# Altium PCB NG2093.PcbDoc (part 7 of 8)
Units mm, origin at the board's own origin, x right, y up, seen from the top; angles counter-clockwise.
Board outline 125 x 63 mm, 6 copper layers (Top Copper, Signal Layer 1, Signal Layer 2, Signal Layer 3, Signal Layer 4, Bottom Copper), stack 1.579 mm thick; 379 components, 295 nets, 1557 pads, 1142 vias.
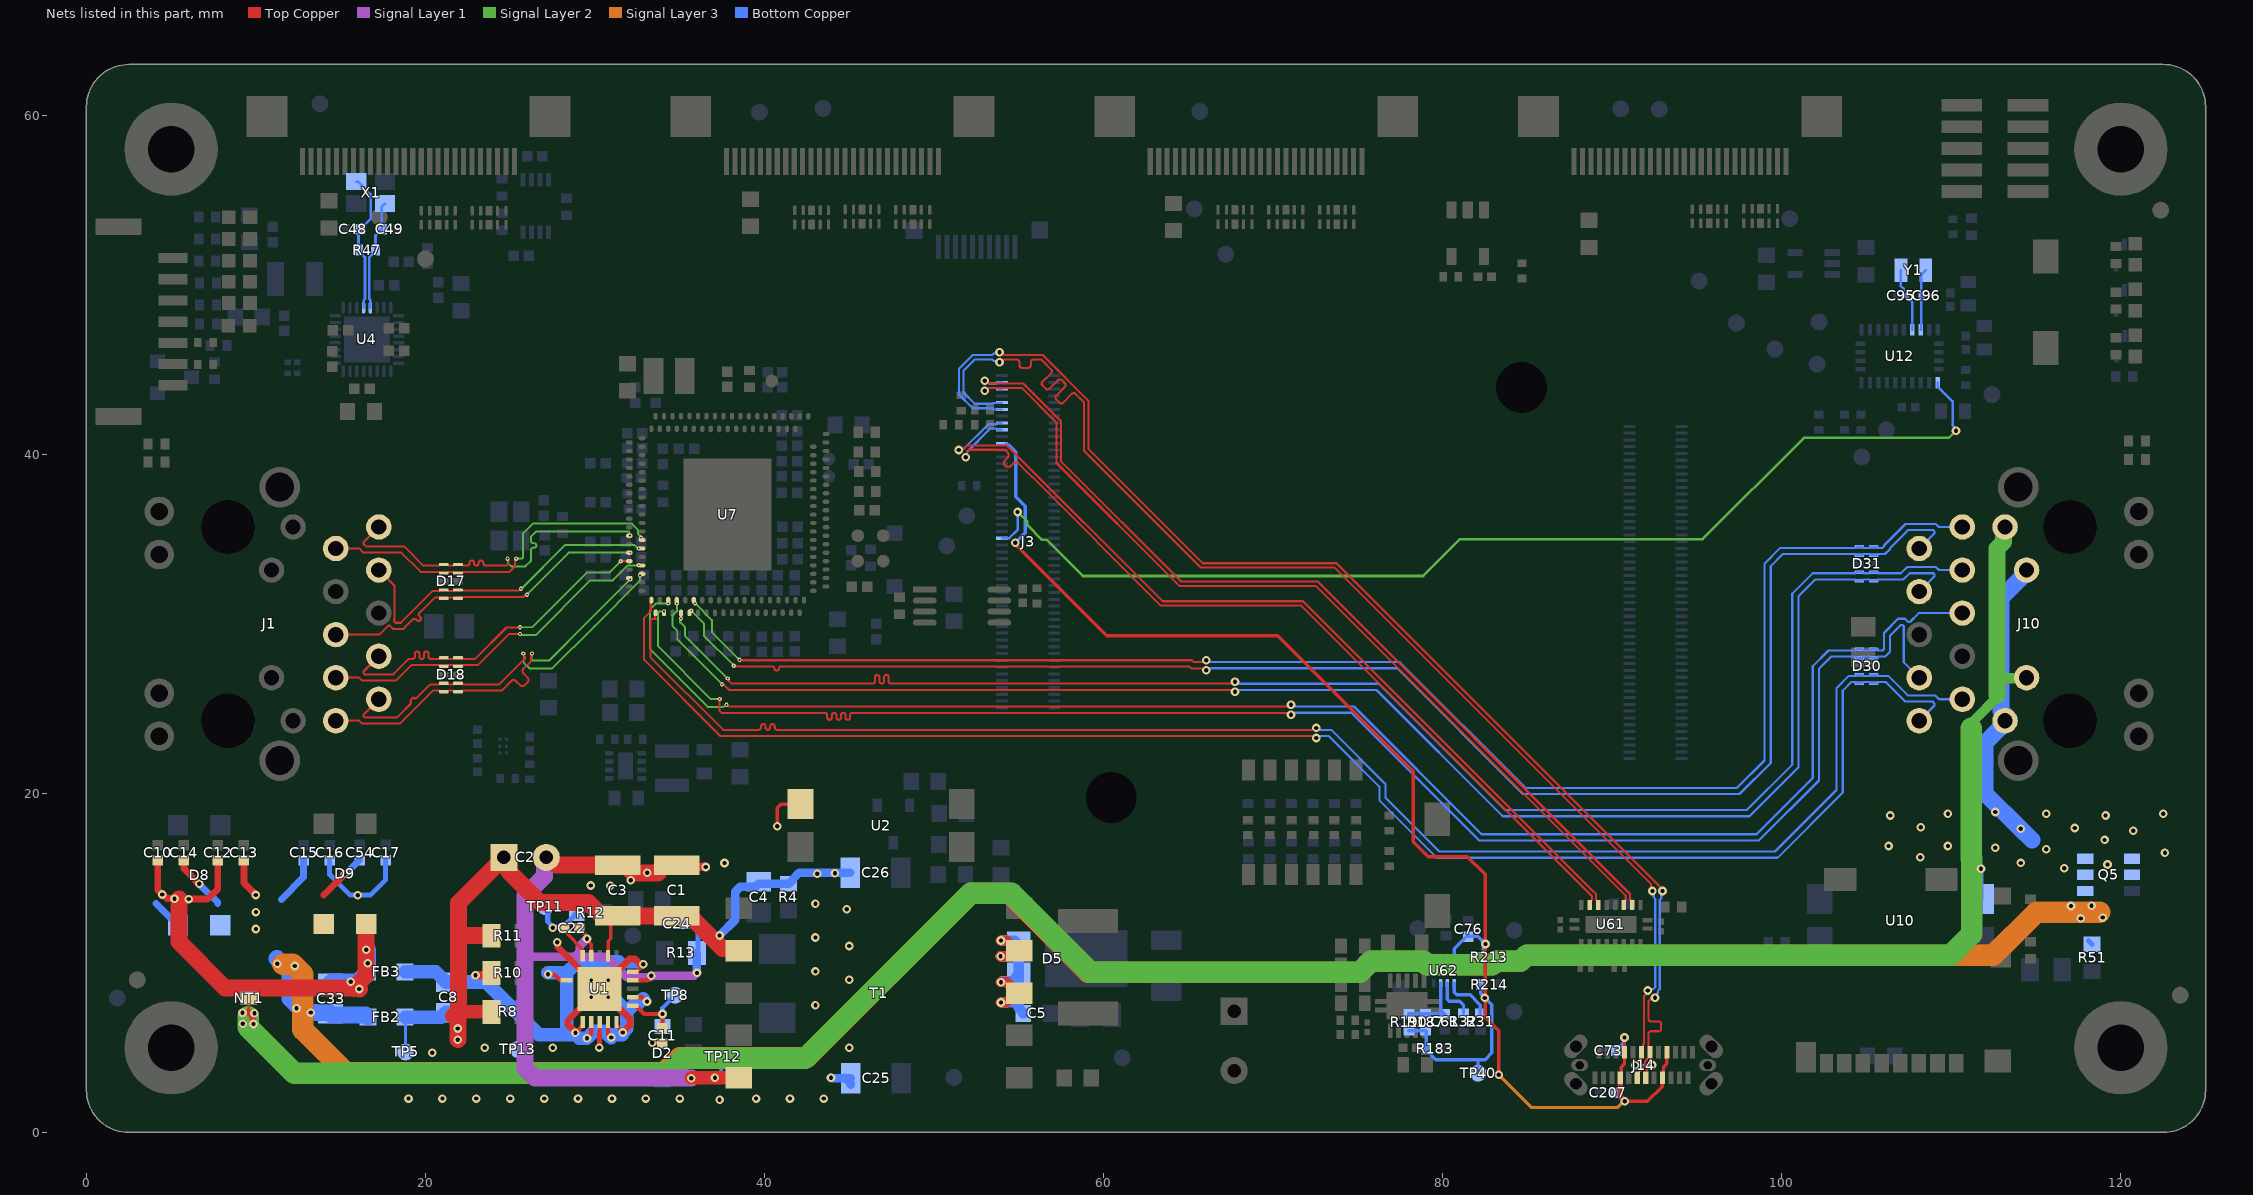
[diagram p11: the nets of this part, all layers, seen from the top]

## Via types
v1: diameter 0.508, hole 0.254, Top Copper to Bottom Copper, tented both sides, 835 vias
v2: diameter 0.406, hole 0.203, Top Copper to Bottom Copper, tented both sides, 150 vias
v3: diameter 0.406, hole 0.2, Top Copper to Bottom Copper, tented both sides, 76 vias
v4: diameter 0.254/0/0.254 (per signal layer), hole 0.102, Top Copper to Signal Layer 2, tented both sides, 51 vias
v5: diameter 0.5, hole 0.2, Top Copper to Bottom Copper, tented both sides, 24 vias
v6: diameter 0.406/0.406/0/0.406/0.406/0.406 (per signal layer), hole 0.2, Top Copper to Bottom Copper, tented both sides, 6 vias

## Nets (pads, with @x,y where several pads share a name; then routed paths per layer and width w, separated by ;. In a path a pad name is that pad's centre, name@x,y a point inside that pad or via, vN(x,y) a via of type N, cw(c..) or ccw(c..) an arc to the next point about the centre after c; other vN are vias at no path point) (continued)
TXRX1A_N: D17.2 D17.9 J1.2 U7.B13 | length 21.6
  Top Copper w0.12: J1.2@14.709,34.445 14.715,34.45 16.084,34.45 16.336,34.199 18.583,34.199 19.717,33.065 20.79,33.065 20.815,33.04 21.043,33.04 D17.2@21.083,33 21.123,33.04 21.35,33.04 21.375,33.065 21.625,33.065 21.65,33.04 22.06,33.04 22.1,33 22.14,33.04 22.185,33.04 22.21,33.065 24.956,33.065 25.281,33.39 25.281,33.745 25.35,33.814 v4(25.35,33.85) ; v4(32.714,35.086) 32.74,35.06 32.74,34.989 32.738,34.987 U7.B13@32.775,34.95
  Signal Layer 2 w0.115: v4(25.35,33.85) 25.697,33.85 25.765,33.917 25.765,35.347 26.331,35.914 32.171,35.914 32.535,35.55 32.535,35.303 32.714,35.123 v4(32.714,35.086)
TXRX1A_P: D17.1 D17.10 J1.1 U7.A14 | length 21.6
  Top Copper w0.12: J1.1@17.249,35.715 16.346,34.812 16.346,34.712 16.489,34.569 18.737,34.569 19.87,33.435 20.79,33.435 20.815,33.46 21.043,33.46 D17.1@21.083,33.5 21.123,33.46 21.35,33.46 21.375,33.435 21.625,33.435 21.65,33.46 22.06,33.46 22.1,33.5 22.14,33.46 22.185,33.46 22.21,33.435 22.407,33.435 22.467,33.435 ccw(c22.467,33.57) 22.602,33.57 22.602,33.606 cw(c22.737,33.606) 22.737,33.741 cw(c22.737,33.606) 22.872,33.606 22.872,33.57 ccw(c23.007,33.57) 23.007,33.435 ccw(c23.007,33.57) 23.142,33.57 23.142,33.606 cw(c23.277,33.606) 23.277,33.741 cw(c23.277,33.606) 23.412,33.606 23.412,33.57 ccw(c23.547,33.57) 23.547,33.435 23.762,33.435 24.803,33.435 24.911,33.543 24.911,33.745 24.842,33.814 v4(24.842,33.85)
  Signal Layer 2 w0.115: v4(24.842,33.85) 24.863,33.829 24.863,33.587 25.065,33.385 25.89,33.385 26.23,33.725 26.23,34.037 26.23,34.359 cw(c26.362,34.359) 26.362,34.492 26.409,34.492 ccw(c26.409,34.624) 26.542,34.624 ccw(c26.409,34.624) 26.409,34.757 26.362,34.757 cw(c26.362,34.889) 26.23,34.889 26.23,35.155 26.325,35.25 26.524,35.449 31.979,35.449 32.046,35.381 32.046,35.234 v4(32.07,35.211)
TXRX1B_N: D17.5 D17.6 J1.6 U7.A16 | length 20.1
  Top Copper w0.12: J1.6@14.709,29.365 17.269,29.365 17.795,29.891 17.894,29.891 18.089,29.695 18.696,29.695 19.025,30.025 19.258,30.258 cw(c19.354,30.163) 19.449,30.258 19.499,30.209 ccw(c19.594,30.304) 19.69,30.209 ccw(c19.594,30.304) 19.69,30.4 19.64,30.449 cw(c19.736,30.545) 19.64,30.64 19.919,30.919 20.565,31.565 20.79,31.565 20.815,31.54 21.043,31.54 D17.5@21.083,31.5 21.123,31.54 21.35,31.54 21.375,31.565 21.625,31.565 21.65,31.54 21.878,31.54 D17.6@21.917,31.5 22.1,31.5 22.19,31.59 23.842,31.59 25.649,31.59 25.655,31.595 25.778,31.595 25.869,31.687 25.967,31.687 v4(25.993,31.713)
  Signal Layer 2 w0.115: v4(25.993,31.713) 25.993,31.743 28.449,34.2 v4(32.075,34.2)
TXRX1B_P: D17.4 D17.7 J1.3 U7.B14 | length 19.9
  Top Copper w0.12: J1.3@17.249,33.175 18.161,32.263 18.161,30.257 18.156,30.252 18.156,30.152 18.243,30.065 18.542,30.065 20.412,31.935 20.79,31.935 20.815,31.96 21.043,31.96 D17.4@21.083,32 21.123,31.96 21.35,31.96 21.375,31.935 21.625,31.935 21.65,31.96 21.878,31.96 D17.7@21.917,32 21.957,31.96 22.21,31.96 23.689,31.96 25.496,31.96 25.608,32.072 v4(25.633,32.072)
  Signal Layer 2 w0.115: v4(25.633,32.072) 25.664,32.072 28.257,34.665 32.314,34.665 32.459,34.52 32.468,34.52 32.537,34.45 v4(32.575,34.45)
TXRX1C_N: D18.2 D18.9 J1.8 U7.B16 | length 20.9
  Top Copper w0.12: J1.8@14.709,26.825 14.715,26.83 16.084,26.83 16.263,26.652 18.255,26.652 19.169,27.565 20.79,27.565 20.815,27.54 21.043,27.54 D18.2@21.083,27.5 21.123,27.54 21.35,27.54 21.375,27.565 21.625,27.565 21.65,27.54 21.878,27.54 D18.9@21.917,27.5 21.957,27.54 22.185,27.54 22.21,27.565 23.085,27.565 24.935,29.415 25.56,29.415 v4(25.575,29.4)
  Signal Layer 2 w0.115: v4(25.575,29.4) 25.64,29.335 26.493,29.335 29.729,32.57 31.053,32.57 31.933,33.45 v4(32.575,33.45)
TXRX1C_P: D18.1 D18.10 J1.7 U7.A17 | length 21
  Top Copper w0.12: J1.7@17.249,28.095 16.346,27.192 16.346,27.092 16.416,27.022 18.102,27.022 19.015,27.935 19.24,27.935 ccw(c19.24,28.07) 19.375,28.07 19.375,28.233 cw(c19.51,28.233) 19.51,28.368 cw(c19.51,28.233) 19.645,28.233 19.645,28.07 ccw(c19.78,28.07) 19.78,27.935 ccw(c19.78,28.07) 19.915,28.07 19.915,28.233 cw(c20.05,28.233) 20.05,28.368 cw(c20.05,28.233) 20.185,28.233 20.185,28.07 ccw(c20.32,28.07) 20.32,27.935 20.65,27.935 20.79,27.935 20.815,27.96 21.043,27.96 D18.1@21.083,28 21.123,27.96 21.35,27.96 21.375,27.935 21.625,27.935 21.65,27.96 21.695,27.96 D18.10@21.735,28 ; D18.10@21.917,28 21.957,27.96 22.185,27.96 22.21,27.935 22.931,27.935 24.781,29.785 25.56,29.785 v4(25.575,29.8) ; v4(31.525,33.7) 31.806,33.7 U7.A17@32.025,33.7
  Signal Layer 2 w0.115: v4(25.575,29.8) 26.3,29.8 29.536,33.035 30.86,33.035 v4(31.525,33.7)
TXRX1D_N: D18.5 D18.6 J1.10 U7.A19 | length 23.1
  Top Copper w0.12: J1.10@14.709,24.285 14.715,24.29 16.084,24.29 16.263,24.112 18.478,24.112 20.431,26.065 20.79,26.065 20.815,26.04 21.043,26.04 D18.5@21.083,26 21.123,26.04 21.35,26.04 21.375,26.065 21.625,26.065 21.65,26.04 21.878,26.04 D18.6@21.917,26 21.957,26.04 22.185,26.04 22.21,26.065 24.5,26.065 24.58,26.145 25.067,26.631 cw(c25.2,26.498) 25.333,26.631 25.579,26.386 ccw(c25.712,26.519) 25.845,26.386 26.023,26.563 ccw(c25.889,26.697) 26.023,26.83 25.777,27.075 cw(c25.91,27.209) 25.777,27.342 26.201,27.766 26.225,27.79 26.225,28.156 26.283,28.214 v4(26.283,28.25) ; U7.A19@32.025,32.7 32.039,32.7 32.071,32.668 v4(32.071,32.621)
  Signal Layer 2 w0.115: v4(26.283,28.25) 26.262,28.229 26.262,27.903 26.329,27.835 27.286,27.835 29.48,30.03 v4(32.071,32.621)
TXRX1D_P: D18.4 D18.7 J1.9 U7.B17 | length 22.8
  Top Copper w0.12: J1.9@17.249,25.555 16.346,24.652 16.346,24.552 16.416,24.482 18.325,24.482 18.504,24.661 19.116,25.273 ccw(c19.031,25.358) 19.116,25.443 cw(c19.145,25.472) 19.116,25.5 19.25,25.634 cw(c19.278,25.605) 19.307,25.634 ccw(c19.392,25.719) 19.477,25.634 19.71,25.867 20.278,26.435 20.79,26.435 20.815,26.46 21.225,26.46 21.265,26.5 21.305,26.46 21.35,26.46 21.375,26.435 21.625,26.435 21.65,26.46 22.06,26.46 22.1,26.5 22.14,26.46 22.185,26.46 22.21,26.435 24.347,26.435 25.855,27.943 25.855,28.082 v4@25.808,28.129
  Signal Layer 2 w0.115: v4(25.775,28.25) 25.797,28.229 25.797,27.71 26.136,27.37 27.478,27.37 29.945,29.838 32.65,32.542 v4(32.65,32.85)
TXRX2A_N: D30.2 D30.9 J10.2 U7.A25 | length 95
  Top Copper w0.12: 33.55,30.3 33.55,30.625 U7.A25@33.575,30.65 ; 33.598,30.3 33.595,30.297 33.362,30.297 33.27,30.205 33.27,28.037 37.557,23.75 39.391,23.75 39.657,23.75 ccw(c39.657,23.884) 39.792,23.884 39.792,23.955 cw(c39.927,23.955) 39.927,24.09 cw(c39.927,23.955) 40.062,23.955 40.062,23.884 ccw(c40.197,23.884) 40.197,23.75 ccw(c40.197,23.884) 40.332,23.884 40.332,23.955 cw(c40.467,23.955) 40.467,24.09 cw(c40.467,23.955) 40.602,23.955 40.602,23.884 ccw(c40.737,23.884) 40.737,23.75 41.067,23.75 72.332,23.75 72.445,23.863 v1(72.55,23.863)
  Bottom Copper w0.13: v1(72.55,23.863) 72.652,23.863 72.768,23.747 73.429,23.747 76.631,20.546 76.631,19.748 79.803,16.576 99.605,16.576 103.229,20.201 103.229,26.209 103.953,26.933 104.333,26.933 104.4,27 D30.2@104.583,27 104.765,27 104.832,26.933 105.168,26.933 105.235,27 D30.9@105.418,27 105.6,27 105.667,26.933 106.281,26.933 107.43,25.783 109.038,25.783 109.27,25.552 110.647,25.552 J10.2@110.65,25.555
TXRX2A_P: D30.1 D30.10 J10.1 U7.B20 | length 95
  Top Copper w0.12: U7.B20@33.325,31.4 33.325,31.293 33.288,31.256 33.288,30.746 32.9,30.358 32.9,27.884 37.404,23.38 72.332,23.38 72.445,23.266 v1(72.55,23.266)
  Bottom Copper w0.13: v1(72.55,23.266) 72.652,23.266 72.768,23.382 73.278,23.382 76.265,20.394 76.265,19.597 79.652,16.21 99.757,16.21 103.595,20.049 103.595,26.057 104.105,26.567 104.333,26.567 104.4,26.5 D30.1@104.583,26.5 104.765,26.5 104.832,26.567 105.168,26.567 105.235,26.5 D30.10@105.418,26.5 105.6,26.5 105.667,26.567 106.129,26.567 107.278,25.417 108.887,25.417 109.011,25.293 109.011,25.186 J10.1@108.11,24.285
TXRX2B_N: D30.5 D30.6 J10.6 U7.B22 | length 95.8
  Top Copper w0.12: v4(37.755,25.221) 37.792,25.221 37.89,25.123 70.832,25.123 70.945,25.236 v1(71.05,25.236)
  Signal Layer 2 w0.115: v4(34.325,31.2) 34.315,31.19 33.592,31.19 33.252,30.85 33.252,28.49 36.64,25.103 37.59,25.103 37.682,25.195 37.729,25.195 v4(37.755,25.221)
  Bottom Copper w0.13: v1(71.05,25.236) 71.152,25.236 71.268,25.121 74.77,25.121 82.295,17.595 98.512,17.595 101.829,20.913 101.829,27.509 102.754,28.433 104.333,28.433 104.4,28.5 D30.5@104.583,28.5 104.765,28.5 104.832,28.433 105.168,28.433 105.235,28.5 D30.6@105.418,28.5 105.6,28.5 105.667,28.433 105.94,28.433 106.025,28.518 106.025,29.462 106.86,30.297 107.271,30.297 107.455,30.114 107.562,30.114 108.083,30.635 J10.6@110.65,30.635
TXRX2B_P: D30.4 D30.7 J10.3 U7.A26 | length 96.1
  Top Copper w0.12: v4(37.351,25.568) 37.351,24.874 37.472,24.753 42.751,24.753 43.561,24.753 cw(c43.561,24.618) 43.696,24.618 43.696,24.475 ccw(c43.831,24.475) 43.831,24.34 ccw(c43.831,24.475) 43.966,24.475 43.966,24.618 cw(c44.101,24.618) 44.101,24.753 cw(c44.101,24.618) 44.236,24.618 44.236,24.475 ccw(c44.371,24.475) 44.371,24.34 ccw(c44.371,24.475) 44.506,24.475 44.506,24.618 cw(c44.641,24.618) 44.641,24.753 cw(c44.641,24.618) 44.776,24.618 44.776,24.475 ccw(c44.911,24.475) 44.911,24.34 ccw(c44.911,24.475) 45.046,24.475 45.046,24.618 cw(c45.181,24.618) 45.181,24.753 45.241,24.753 70.832,24.753 70.945,24.639 v1(71.05,24.639)
  Signal Layer 2 w0.115: v4(34.075,30.725) 33.785,30.725 33.717,30.658 33.717,28.682 36.832,25.568 v4(37.351,25.568)
  Bottom Copper w0.13: v1(71.05,24.639) 71.152,24.639 71.268,24.755 74.619,24.755 82.144,17.229 98.663,17.229 102.195,20.762 102.195,27.357 102.906,28.067 104.333,28.067 104.4,28 D30.4@104.583,28 104.765,28 104.832,28.067 105.168,28.067 105.235,28 D30.7@105.418,28 105.6,28 105.667,28.067 106.091,28.067 106.391,28.367 106.391,29.31 107.012,29.931 107.12,29.931 107.196,29.855 107.196,29.748 107.193,29.745 107.193,27.742 J10.3@108.11,26.825
TXRX2C_N: D31.2 D31.9 J10.8 U7.A28 | length 94.3
  Top Copper w0.12: v4(37.825,26.775) 37.825,26.739 37.888,26.676 37.888,26.644 38.059,26.473 45.045,26.473 46.374,26.473 ccw(c46.374,26.608) 46.509,26.608 46.509,26.848 cw(c46.644,26.848) 46.644,26.983 cw(c46.644,26.848) 46.779,26.848 46.779,26.608 ccw(c46.914,26.608) 46.914,26.473 ccw(c46.914,26.608) 47.049,26.608 47.049,26.866 cw(c47.184,26.866) 47.184,27.001 cw(c47.184,26.866) 47.319,26.866 47.319,26.608 ccw(c47.454,26.608) 47.454,26.473 47.784,26.473 67.328,26.473 v1@67.532,26.473
  Signal Layer 2 w0.115: v4(35.075,30.325) 35.048,30.298 35.048,30.213 35.024,30.188 35.024,30.093 35.317,29.8 35.317,29.282 37.824,26.775 v4(37.825,26.775)
  Bottom Copper w0.13: v1(67.75,26.586) 67.852,26.586 67.968,26.471 76.245,26.471 83.695,19.021 97.941,19.021 100.619,21.698 100.619,31.782 101.819,32.983 104.333,32.983 104.4,33.05 D31.2@104.583,33.05 104.765,33.05 104.832,32.983 105.168,32.983 105.235,33.05 D31.9@105.418,33.05 105.6,33.05 105.667,32.983 107.021,32.983 107.394,33.356 109.086,33.356 109.27,33.172 110.647,33.172 J10.8@110.65,33.175
TXRX2C_P: D31.1 D31.10 J10.7 U7.B23 | length 94
  Top Copper w0.12: v4(37.495,26.445) 37.531,26.445 37.594,26.382 37.626,26.382 37.906,26.103 67.175,26.103 v1@67.532,26.103
  Signal Layer 2 w0.115: v4(34.825,31.2) 34.825,30.733 34.559,30.466 34.559,29.9 34.852,29.607 34.852,29.09 37.495,26.446 v4(37.495,26.445)
  Bottom Copper w0.13: v1(67.75,25.989) 67.852,25.989 67.968,26.105 76.094,26.105 83.544,18.655 98.093,18.655 100.985,21.546 100.985,31.631 101.971,32.617 104.333,32.617 104.4,32.55 D31.1@104.583,32.55 104.765,32.55 104.832,32.617 105.168,32.617 105.235,32.55 D31.10@105.418,32.55 105.6,32.55 105.667,32.617 107.173,32.617 107.545,32.99 108.935,32.99 109.011,32.913 109.011,32.806 J10.7@108.11,31.905
TXRX2D_N: D31.5 D31.6 J10.10 U7.B25 | length 93.2
  Top Copper w0.12: v4(38.525,27.875) 38.545,27.855 65.209,27.855 65.319,27.745 65.832,27.745 65.945,27.858 v1(66.05,27.858)
  Signal Layer 2 w0.115: v4(35.903,31.209) 35.903,31.206 36.892,30.218 36.892,29.493 38.51,27.875 v4(38.525,27.875)
  Bottom Copper w0.13: v1(66.05,27.858) 66.152,27.858 66.268,27.743 77.473,27.743 84.89,20.325 97.359,20.325 98.979,21.946 98.979,33.551 99.911,34.483 104.333,34.483 104.4,34.55 D31.5@104.583,34.55 104.765,34.55 104.832,34.483 105.168,34.483 105.235,34.55 D31.6@105.418,34.55 105.6,34.55 105.667,34.483 105.94,34.483 106.025,34.568 106.025,34.621 107.299,35.896 109.086,35.896 109.27,35.712 110.647,35.712 J10.10@110.65,35.715
TXRX2D_P: D31.4 D31.7 J10.9 U7.A29 | length 93.4
  Top Copper w0.12: v4(38.181,27.531) 38.207,27.505 38.371,27.505 38.392,27.485 40.133,27.485 40.463,27.485 cw(c40.463,27.365) 40.583,27.365 ccw(c40.691,27.365) 40.691,27.257 40.745,27.257 ccw(c40.745,27.365) 40.853,27.365 cw(c40.973,27.365) 40.973,27.485 41.256,27.485 65.056,27.485 65.166,27.375 65.832,27.375 65.945,27.261 v1(66.05,27.261)
  Signal Layer 2 w0.115: v4(35.675,30.775) 35.677,30.775 36.427,30.025 36.427,29.3 38.181,27.546 v4(38.181,27.531)
  Bottom Copper w0.13: v1(66.05,27.261) 66.152,27.261 66.268,27.377 77.322,27.377 84.739,19.959 97.51,19.959 99.345,21.794 99.345,33.4 100.063,34.117 104.333,34.117 104.4,34.05 D31.4@104.583,34.05 104.765,34.05 104.832,34.117 105.168,34.117 105.235,34.05 D31.7@105.418,34.05 105.6,34.05 105.667,34.117 106.091,34.117 106.391,34.417 106.391,34.47 107.451,35.53 108.935,35.53 109.011,35.453 109.011,35.346 J10.9@108.11,34.445
USB_CM: R31.1 U62.3 | length 2.9
  Bottom Copper w0.2: U62.3@80.674,8.8 80.674,8.276 80.825,8.125 81.613,8.125 82.225,7.513 R31.1@82.225,7.025
USB_D_N: J3.90 J14.A7 J14.B7 | length 74.3
  Top Copper w0.125: v1(53.86,46.027) 53.964,46.027 54.135,45.856 56.409,45.856 59.101,43.164 59.101,40.319 65.847,33.573 73.733,33.573 92.968,14.337 v1(92.968,14.244) ; J14.A7@91.475,3.22 91.475,3.445 91.66,3.631 91.66,3.671 91.926,3.936 91.926,4.174 92.039,4.287 92.039,4.32 92.225,4.505 J14.B7@92.225,4.73 92.14,4.816 92.14,5.221 92.14,5.301 92.14,5.83 cw(c92.284,5.83) 92.284,5.974 92.738,5.974 ccw(c92.738,6.118) 92.882,6.118 92.882,6.405 ccw(c92.738,6.405) 92.738,6.549 92.284,6.549 cw(c92.284,6.693) 92.14,6.693 92.14,6.926 92.14,7.74 92.277,7.877 92.452,7.877 v1(92.525,7.95)
  Bottom Copper w0.13: v1(53.86,46.027) 53.788,45.954 53.531,45.954 53.435,45.858 52.283,45.858 51.47,45.045 51.47,43.535 52.285,42.72 53.457,42.72 53.527,42.65 J3.90@54.01,42.65 ; v1(92.525,7.95) 92.525,8.052 92.698,8.226 92.698,8.362 92.8,8.463 92.8,13.716 92.896,13.812 92.896,14.172 v1(92.968,14.244)
USB_D_P: J3.92 J14.A6 J14.B6 | length 77
  Top Copper w0.125: v1(53.86,45.43) 53.954,45.43 54.125,45.601 54.863,45.601 cw(c54.863,45.432) 55.031,45.432 55.031,45.264 ccw(c55.2,45.264) 55.2,45.096 55.538,45.096 ccw(c55.538,45.264) 55.706,45.264 55.706,45.432 cw(c55.875,45.432) 55.875,45.601 56.192,45.601 56.303,45.601 56.46,45.444 56.911,44.993 cw(c56.809,44.891) 56.911,44.79 56.389,44.268 ccw(c56.491,44.167) 56.389,44.065 56.592,43.862 ccw(c56.694,43.963) 56.796,43.862 57.317,44.383 cw(c57.419,44.282) 57.52,44.383 57.724,44.18 cw(c57.622,44.078) 57.724,43.977 57.202,43.455 ccw(c57.304,43.354) 57.202,43.252 57.406,43.049 ccw(c57.507,43.15) 57.609,43.049 58.13,43.57 cw(c58.232,43.468) 58.334,43.57 58.791,43.113 58.846,43.058 58.846,40.213 65.742,33.318 73.627,33.318 92.298,14.647 92.298,14.318 v1(92.371,14.244) ; v1(91.362,3.964) 91.674,4.276 91.674,4.68 J14.B6@91.725,4.73 91.812,4.818 91.812,5.174 91.883,5.245 91.883,5.325 91.885,5.327 91.885,7.606 91.882,7.608 91.882,7.821 91.883,7.822 91.883,8.049 92.103,8.268 v1(92.103,8.372) ; J14.A6@91.975,3.22 92.033,3.278 92.033,3.668 v1(92.345,3.98) v1@92.345,3.92
  Bottom Copper w0.13: v1(53.86,45.43) 53.788,45.502 53.511,45.502 53.415,45.598 52.391,45.598 51.73,44.937 51.73,43.642 52.393,42.98 53.455,42.98 53.5,43.025 53.985,43.025 J3.92@54.01,43.05 ; v1(91.362,3.964) 91.37,3.972 92.337,3.972 v1(92.345,3.98) ; v1(92.103,8.372) 92.175,8.444 92.413,8.444 92.54,8.57 92.54,13.775 92.443,13.871 92.443,14.172 v1(92.371,14.244)
USB_PORT: R32.1 U62.4 | length 2.5
  Bottom Copper w0.2: U62.4@80.274,8.8 80.274,7.856 80.392,7.739 81.011,7.739 81.225,7.525 R32.1@81.225,7.025
USB_RX_N: J3.96 U61.4 | length 53.4
  Top Copper w0.125: v1(52.985,43.752) 53.079,43.752 53.25,43.923 55.162,43.923 57.222,41.863 57.222,39.49 64.47,32.243 72.518,32.243 90.797,13.963 90.797,13.722 90.675,13.6 U61.4@90.675,13.425
  Bottom Copper w0.13: v1(52.985,43.752) 53.082,43.752 53.25,43.92 53.68,43.92 53.75,43.85 J3.96@54.01,43.85
USB_RX_P: J3.98 U61.3 | length 53.8
  Top Copper w0.125: v1(52.985,44.348) 53.079,44.348 53.25,44.178 55.268,44.178 57.477,41.968 57.477,39.596 64.575,32.498 72.624,32.498 91.052,14.069 91.052,13.722 91.175,13.6 U61.3@91.175,13.425
  Bottom Copper w0.13: v1(52.985,44.348) 53.082,44.348 53.25,44.18 53.68,44.18 53.75,44.25 J3.98@54.01,44.25
USB_TX_N: J3.84 U61.8 | length 52.6
  Top Copper w0.125: v1(51.869,39.831) 51.935,39.897 51.935,40.139 52.066,40.27 53.88,40.27 54.184,40.27 54.328,40.126 cw(c54.16,39.958) 54.328,39.79 54.198,39.659 ccw(c54.366,39.492) 54.198,39.324 ccw(c54.366,39.492) 54.533,39.324 54.664,39.454 cw(c54.832,39.286) 55,39.454 55.736,38.718 55.78,38.673 63.375,31.078 71.658,31.078 88.698,14.037 88.705,14.037 88.798,13.945 88.798,13.722 88.675,13.6 U61.8@88.675,13.425
  Bottom Copper w0.13: v1(51.869,39.831) 51.941,39.903 51.941,40.141 53.32,41.52 53.68,41.52 53.75,41.45 J3.84@54.01,41.45
USB_TX_P: J3.86 U61.7 | length 52.6
  Top Copper w0.125: v1(51.447,40.253) 51.513,40.319 51.755,40.319 51.961,40.525 54.289,40.525 63.481,31.333 71.763,31.333 88.804,14.292 88.811,14.292 89.053,14.051 89.053,13.722 89.175,13.6 U61.7@89.175,13.425
  Bottom Copper w0.13: v1(51.447,40.253) 51.519,40.325 51.758,40.325 53.212,41.78 53.68,41.78 53.75,41.85 J3.86@54.01,41.85
VBUS: C73.2 C76.2 C207.2 J3.80 J14.A4 J14.A9 J14.B4 J14.B9 R183.2 R187.1 R190.1 R213.2 R214.2 TP40.1 U62.12 | length 91.3
  Top Copper w0.2: v1(54.793,34.784) 54.793,34.703 60.196,29.3 70.275,29.3 78.275,21.3 78.275,17.15 79.15,16.275 81.45,16.275 82.5,15.225 v1@82.5,7.96 ; v1(82.476,7.936) v1@82.5,7.96 ; v1(83.3,3.4) 83.3,6 82.5,6.8 v1@82.5,7.96 ; J14.A9@90.475,3.22 90.525,3.27 90.525,3.855 90.725,4.055 J14.B4@90.725,4.73 v1(90.725,5.605) ; v1(90.731,1.844) 92.078,1.844 92.94,2.706 92.94,3.186 J14.A4@92.975,3.22 93.025,3.27 93.025,3.855 93.225,4.055 J14.B9@93.225,4.73
  Top Copper w0.3: J14.A9@90.475,3.22 90.475,2.156 90.731,1.9 v1(90.731,1.844)
  Signal Layer 2 w0.2: v1@82.575,11.126 v1@82.6,11.101
  Signal Layer 2 w0.5: v1@90.725,1.852 90.731,1.846 v1(90.731,1.844)
  Signal Layer 3 w0.2: v1(83.3,3.4) 85.225,1.475 90.317,1.475 90.685,1.844 v1(90.731,1.844)
  Bottom Copper w0.2: J3.80@54.26,40.64 54.358,40.542 54.444,40.542 54.829,40.156 54.829,37.499 55.381,36.947 55.381,35.372 v1(54.793,34.784) ; R190.1@78,6 R187.1@79,6 79.025,5.975 R183.2@79.025,4.925 ; R183.2@79.012,4.912 R183.2@79.025,4.925 ; U62.12@80.674,10.3 80.674,10.824 81.425,11.575 82.069,11.575 v1(82.526,11.118) 82.526,11.035 82.4,10.909 82.4,10.5 R213.2@82.225,10.325 ; TP40.1@82.085,3.5 82.085,4.25 82.135,4.3 ; R214.2@82.25,8.725 82.25,8.195 v1@82.476,7.969 ; v1(82.476,7.936) v1@82.476,7.969 ; C207.2@90.181,2.341 90.679,1.844 v1(90.731,1.844) v1@90.738,1.85 ; C73.2@90.229,4.825 90.684,5.28 90.684,5.564 v1(90.725,5.605) ; R183.2@79.025,4.925 79.025,4.875 79.6,4.3 82.135,4.3 ; 82.135,4.3 82.5,4.3 82.9,4.7 82.9,7.545 v1@82.476,7.969
VBUS_DET: C61.2 R187.2 R190.2 U62.5 | length 4
  Bottom Copper w0.2: R190.2@78,7 R187.2@79,7 C61.2@80.1,7 ; U62.5@79.874,8.8 79.874,7.226 C61.2@80.1,7 ; C61.2@80.125,6.975 C61.2@80.1,7
VDD: C22.2 R12.2 TP11.1 U1.5 | length 6.3
  Top Copper w0.203: v1(27.513,12.08) 27.552,12.041 27.591,12.08 28.134,12.08 C22.2@28.173,12.041 28.382,11.832 28.382,11.681 29.25,10.814 29.25,10.448 U1.5@29.273,10.425
  Bottom Copper w0.3: TP11.1@27.078,13.315 27.212,13.181 27.212,12.437 27.513,12.136 v1(27.513,12.08) 27.553,12.12 28.118,12.12 R12.2@28.758,12.76 ; R12.2@28.758,12.76 28.758,12.81 R12.2@28.923,12.975 28.923,12.925 R12.2@28.758,12.76
VNEG: C8.1 FB3.2 R10.1 TP13.1 U1.7 U1.11 U1.12 U1.14 U1.15 U1.17 U1.20 U1.21 | length 51.6
  Top Copper w0.25: v1(27.231,9.338) 27.281,9.288 27.645,9.288 27.958,8.975 U1.7@28.323,8.975 ; v1(28.846,5.89) 28.921,5.966 28.939,5.966 29.273,6.3 U1.11@29.273,6.525 ; v1(29.525,5.56) 29.525,5.578 29.773,5.826 U1.12@29.773,6.525 ; U1.14@30.773,6.525 30.773,5.777 v1(30.95,5.6) ; U1.15@31.273,6.525 31.273,6.3 31.645,5.928 v1(31.645,5.9) ; U1.17@32.223,7.975 32.772,7.975 33.022,7.725 v1(33.066,7.725) ; U1.20@32.223,9.475 32.448,9.475 32.848,9.875 v1(32.848,9.914)
  Top Copper w0.4: v1(27.781,11.229) 27.802,11.209 27.802,10.946 U1.21@30.273,8.475 ; v1(28.846,5.89) 28.846,5.919 28.389,6.376 28.389,6.591 U1.21@30.273,8.475 ; v1@31.645,5.929 32.081,6.365 32.081,6.667 v2(30.773,7.975) U1.21@30.273,8.475 ; v1(32.848,9.914) 32.827,9.935 32.649,9.935 32.356,10.227 32.025,10.227 v2(30.773,8.975) U1.21@30.273,8.475